# Altium PCB HOMER3E-V3.5-G510.PcbDoc (part 1 of 2)
Units mm, origin at the board's own origin, x right, y up, seen from the top; angles counter-clockwise.
Board outline 74 x 50 mm, 4 copper layers (TopLayer, Min_GND, GND, BottomLayer), stack 0.91 mm thick; 166 components, 113 nets, 518 pads, 287 vias.
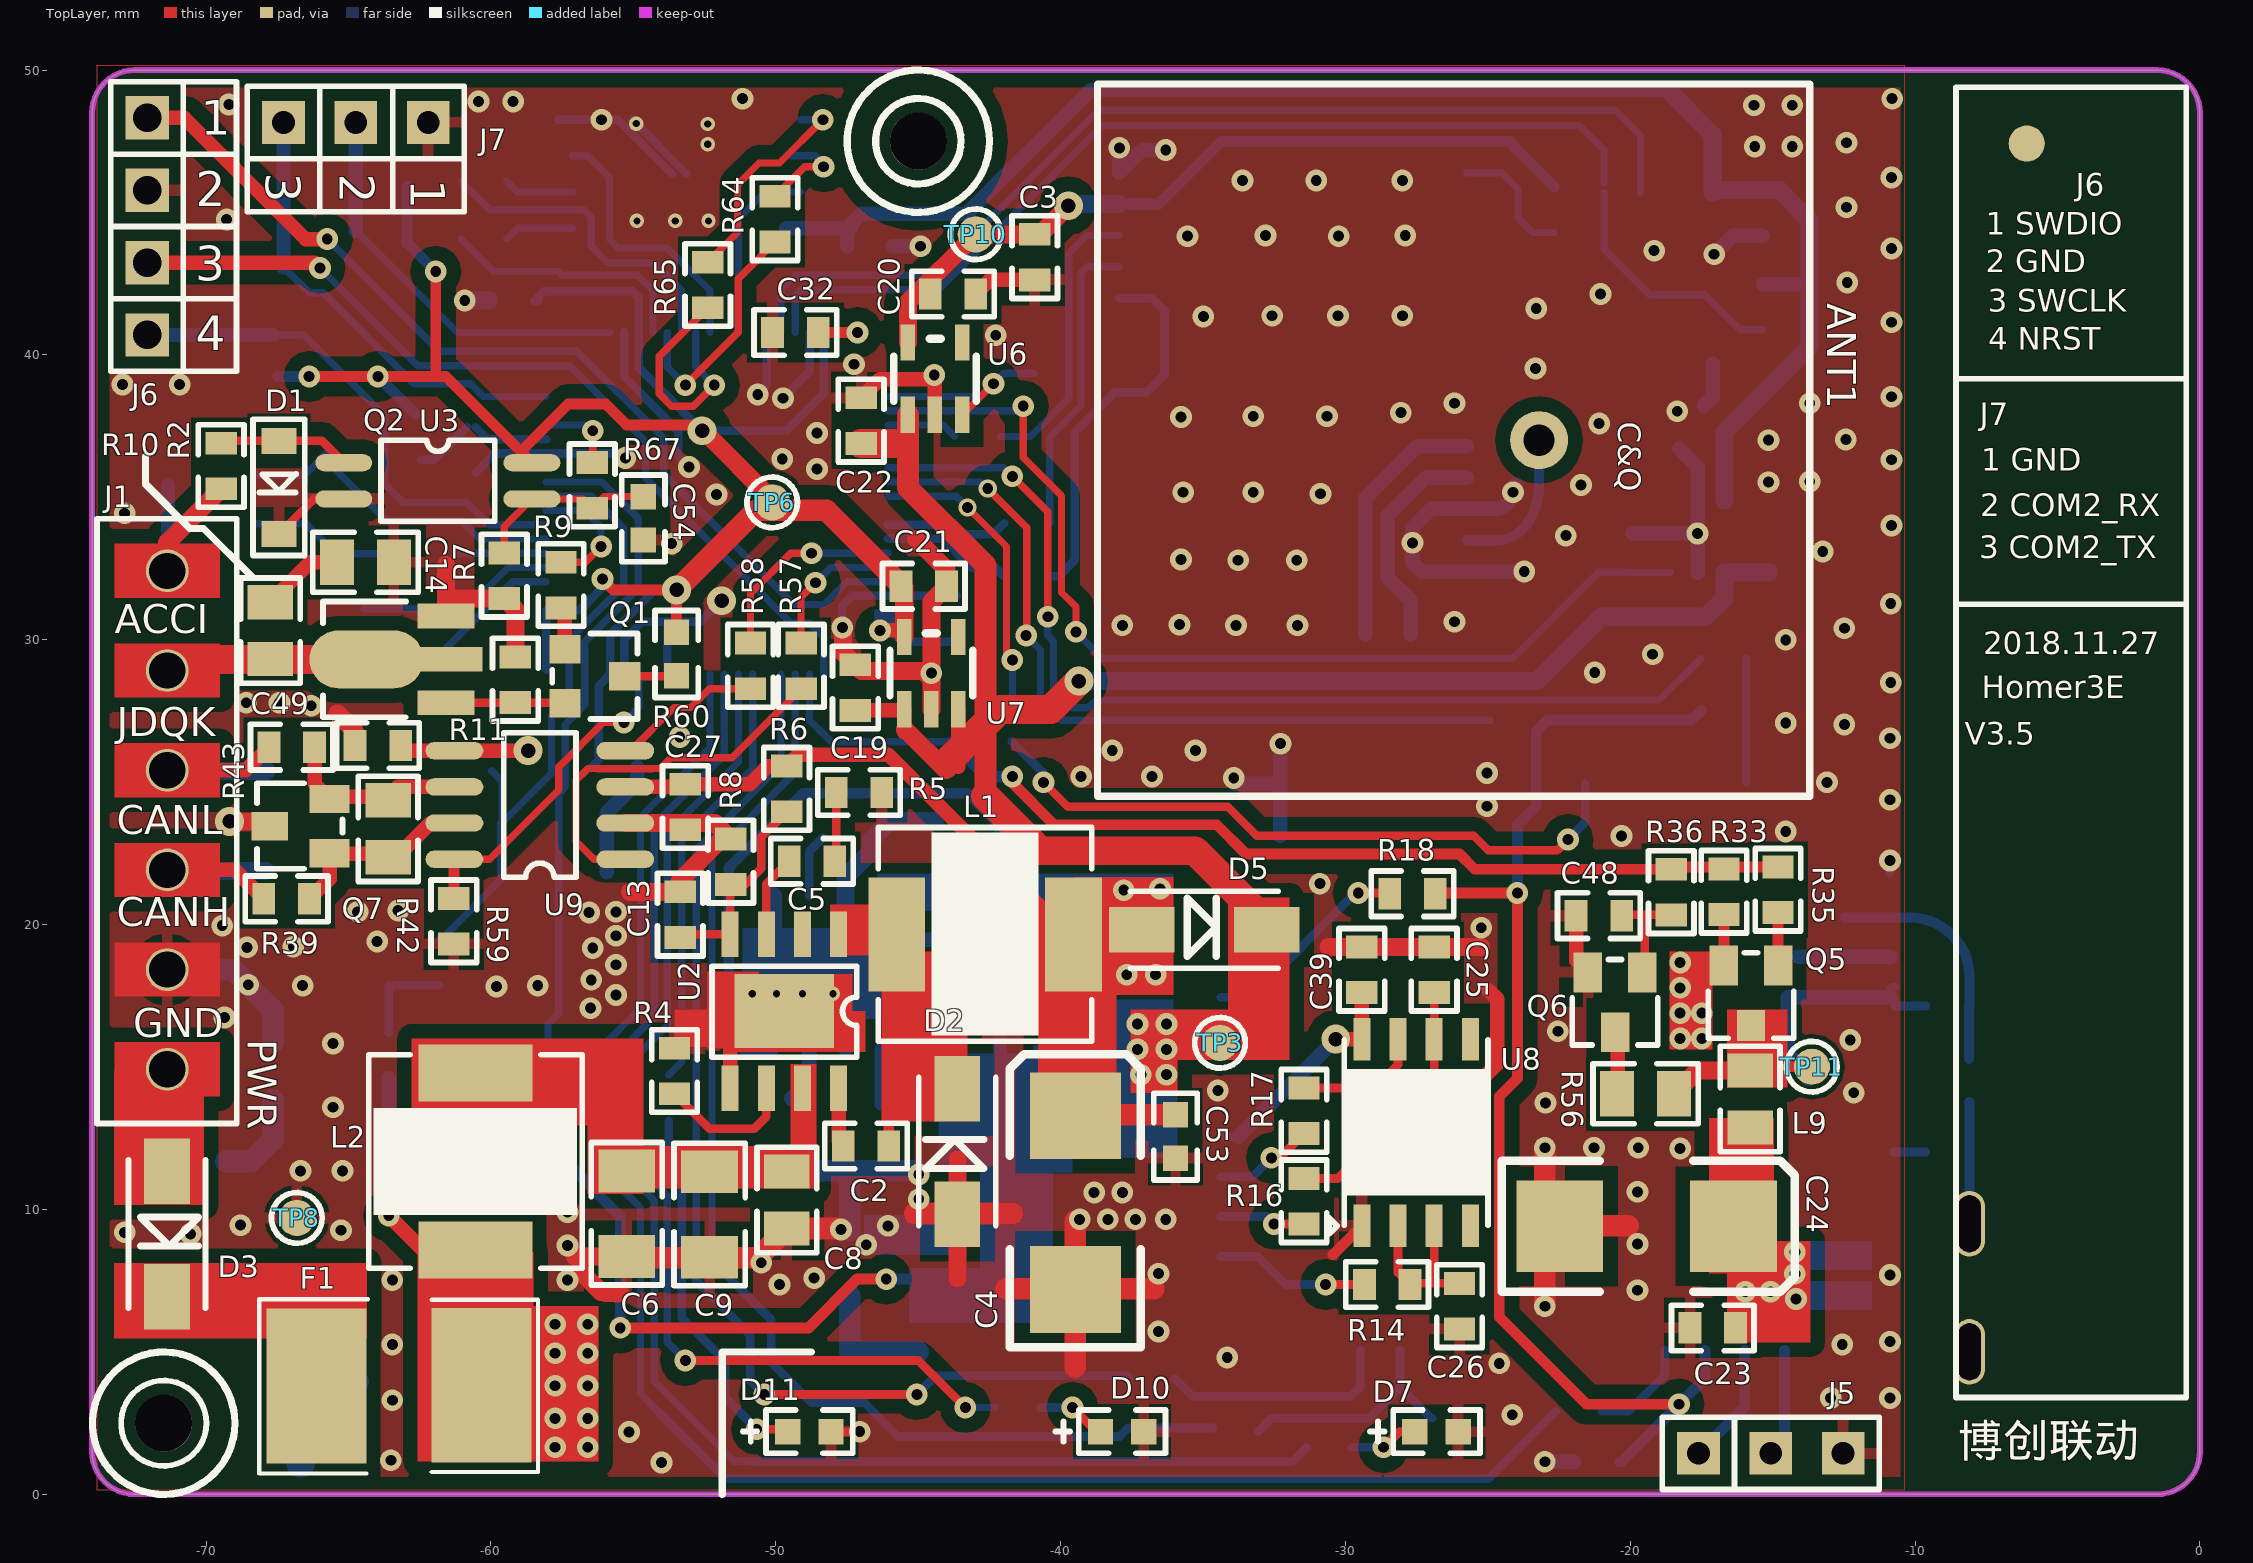
[diagram p0: TopLayer view]
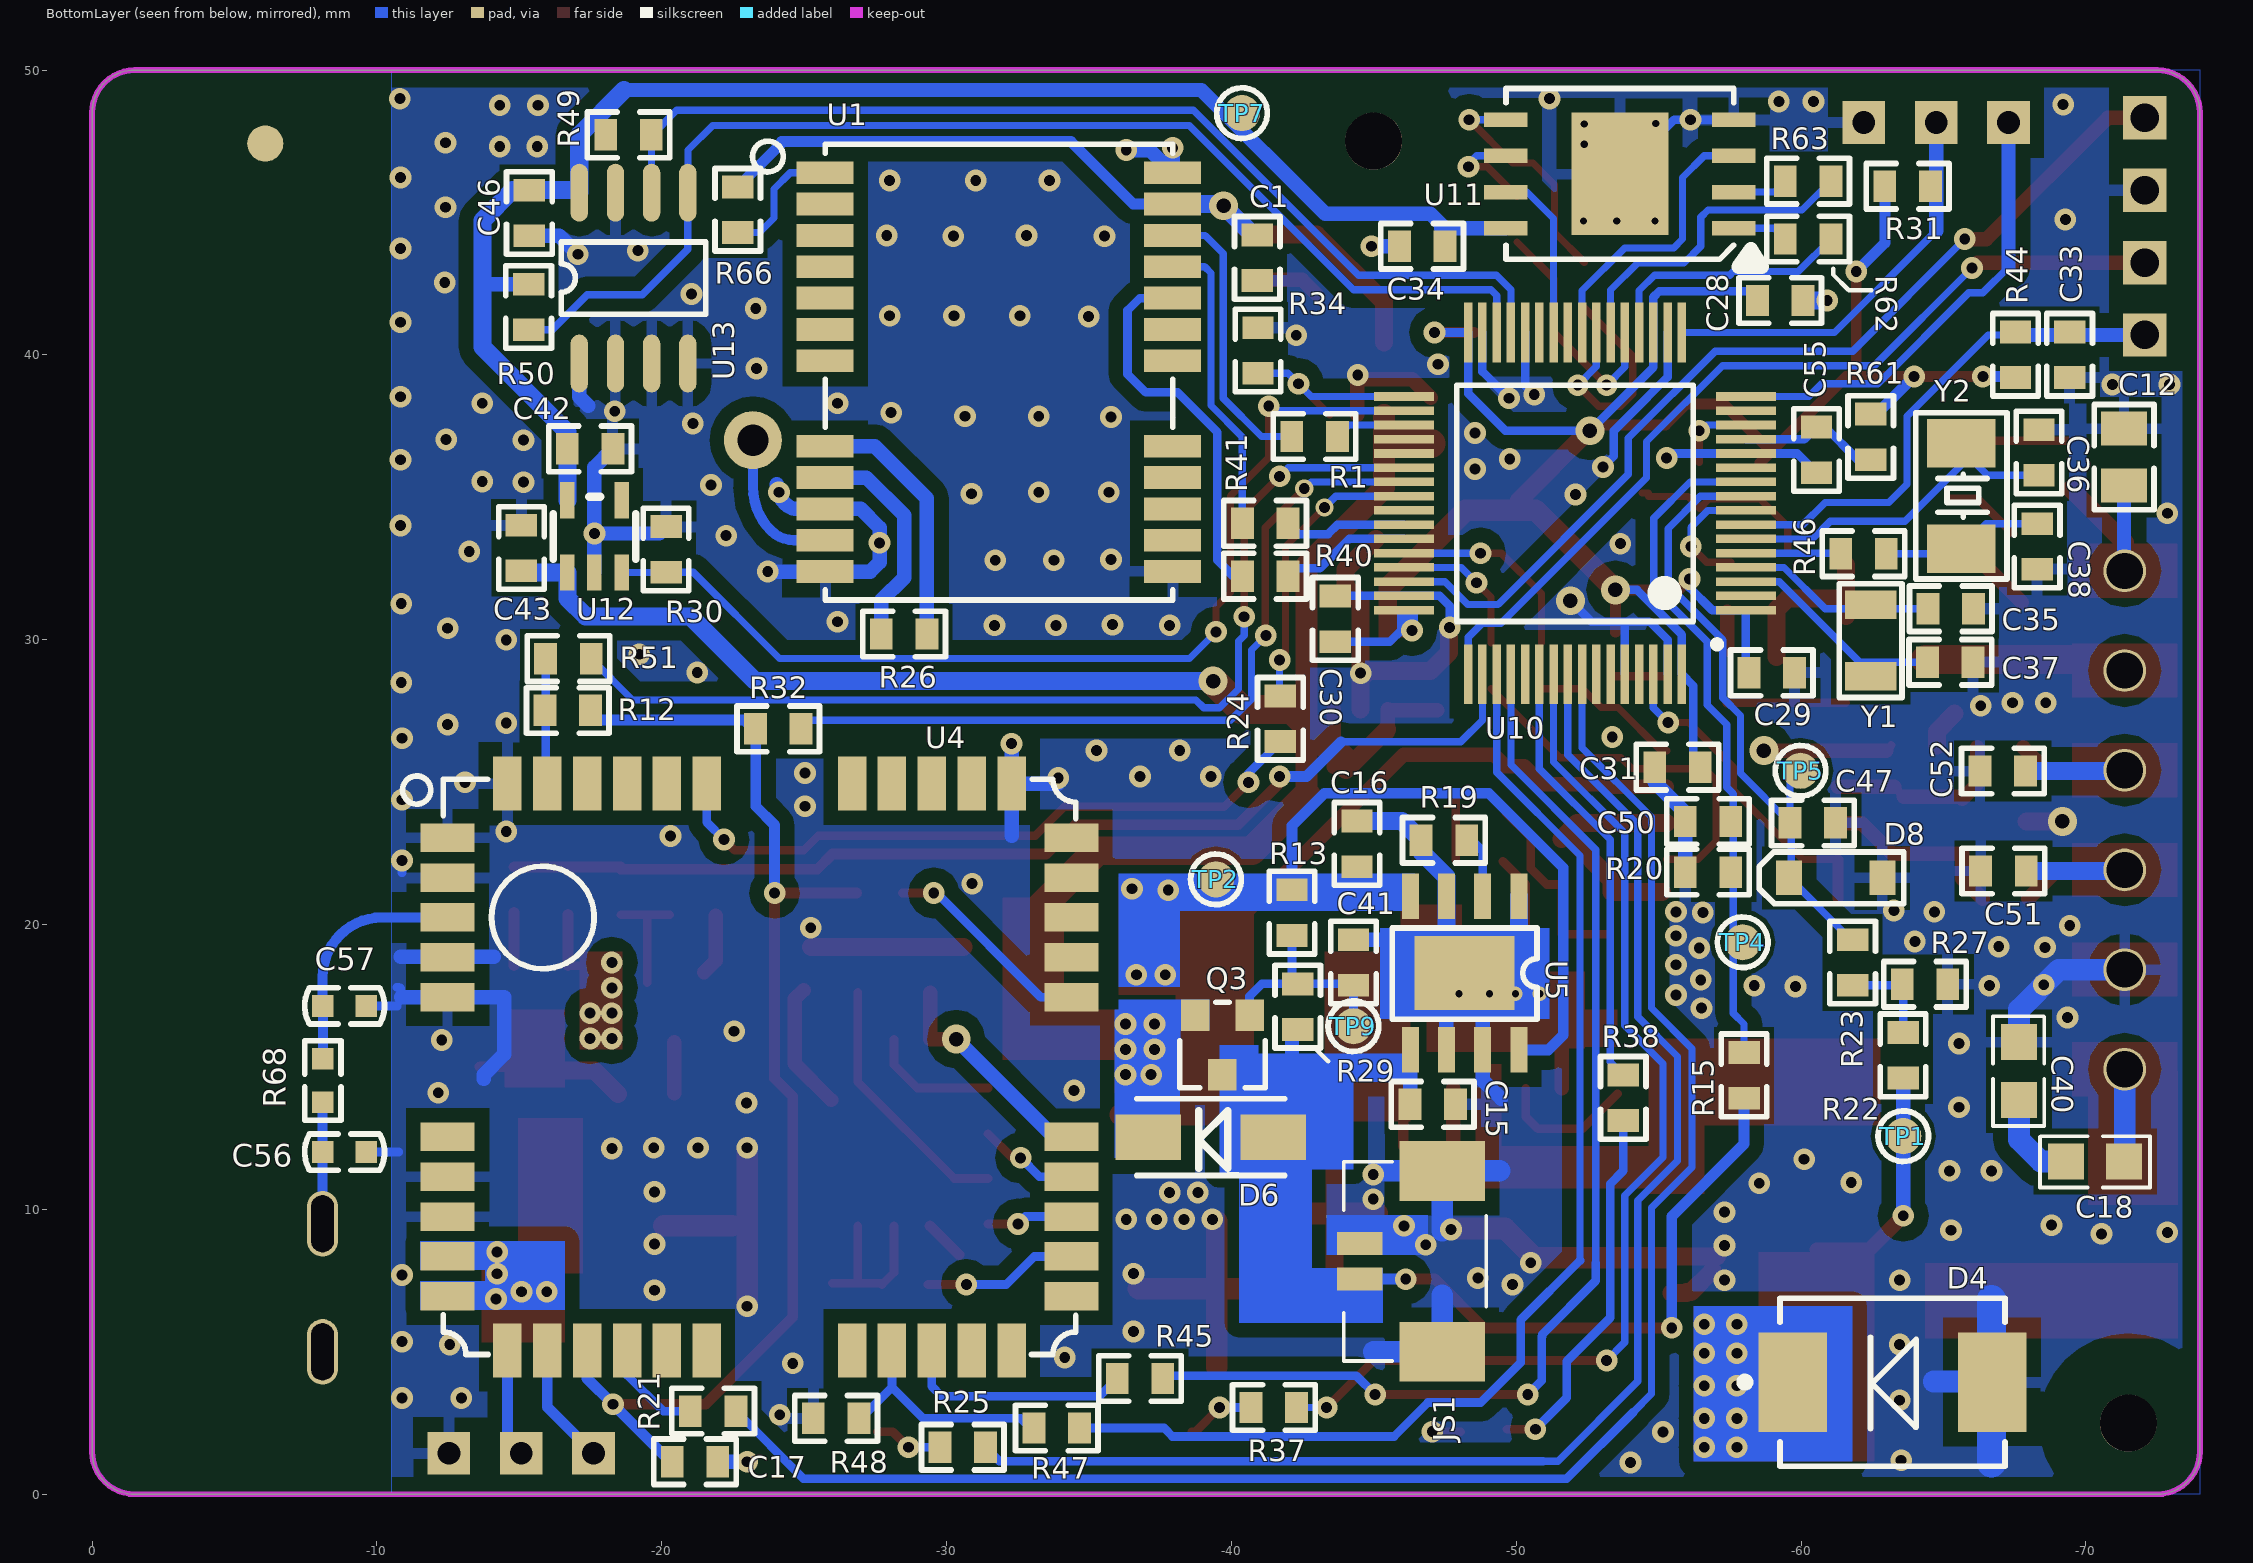
[diagram p1: BottomLayer view, seen from below]
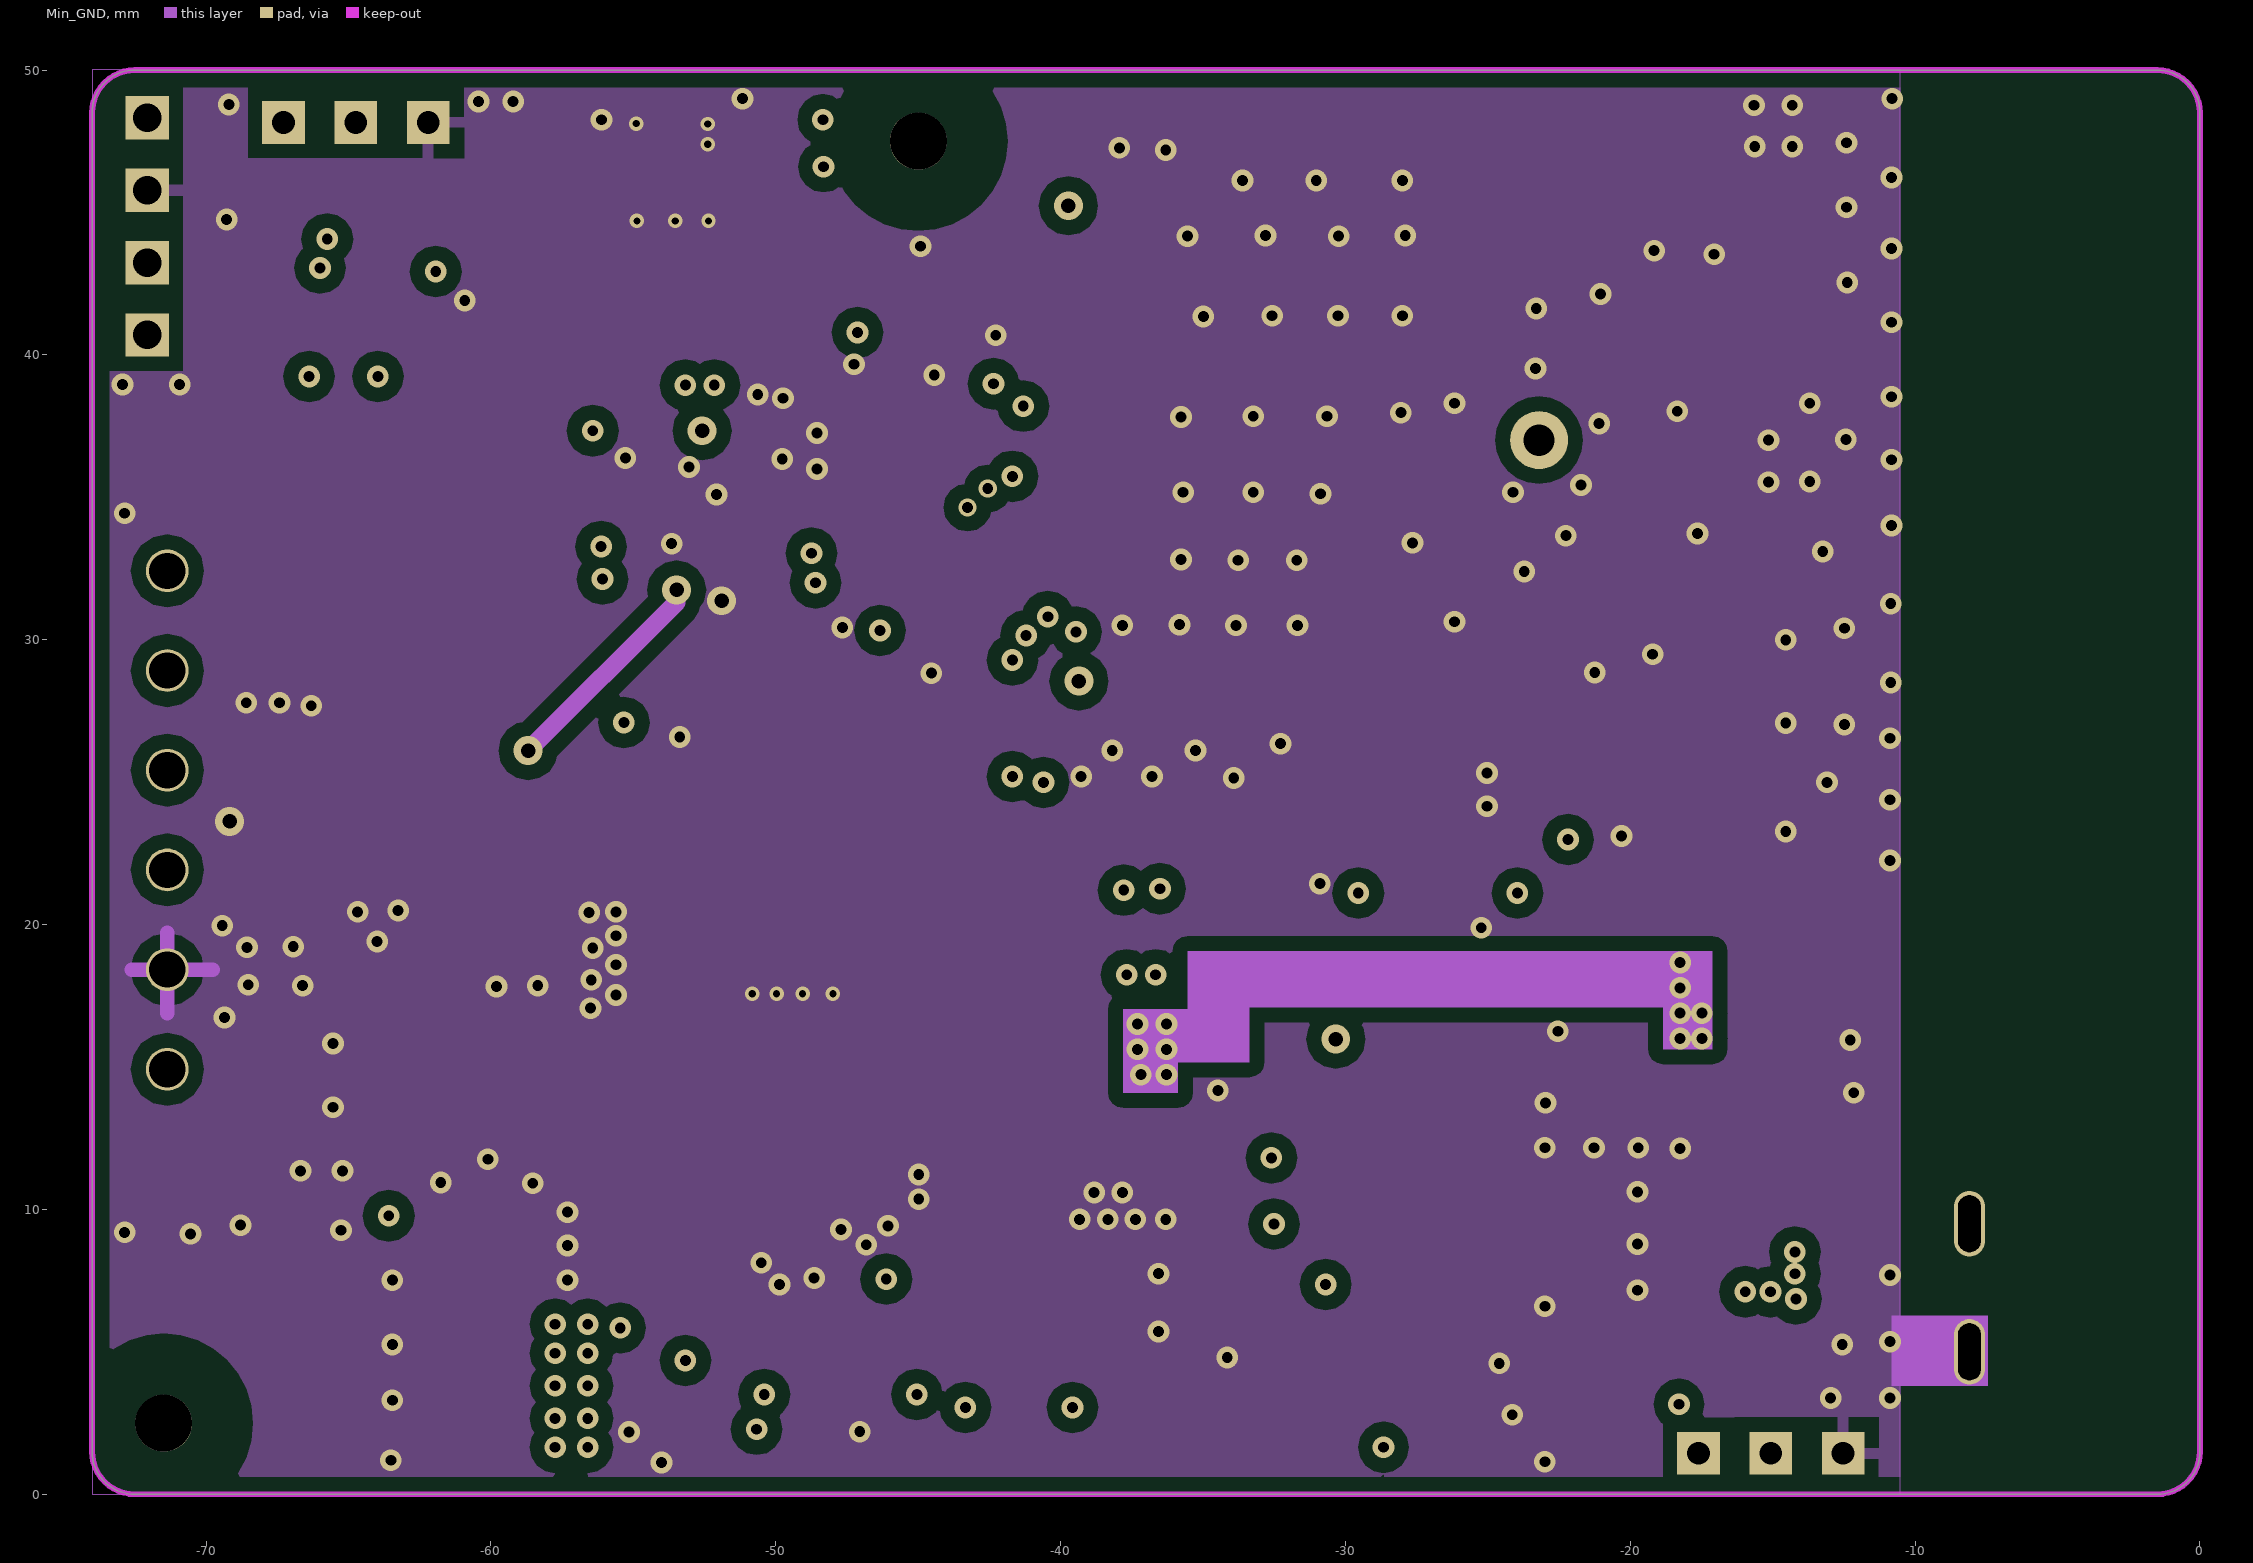
[diagram p2: Min_GND]